# Altium PCB 数控_2.PcbDoc
Units mil, origin at the board's own origin, x right, y up, seen from the top; angles counter-clockwise.
Board outline 6000 x 4000 mil, 2 copper layers (Top Layer, Bottom Layer); 43 components, 59 nets, 178 pads, 0 vias.
Unrouted connection lines stored in the file: 3.
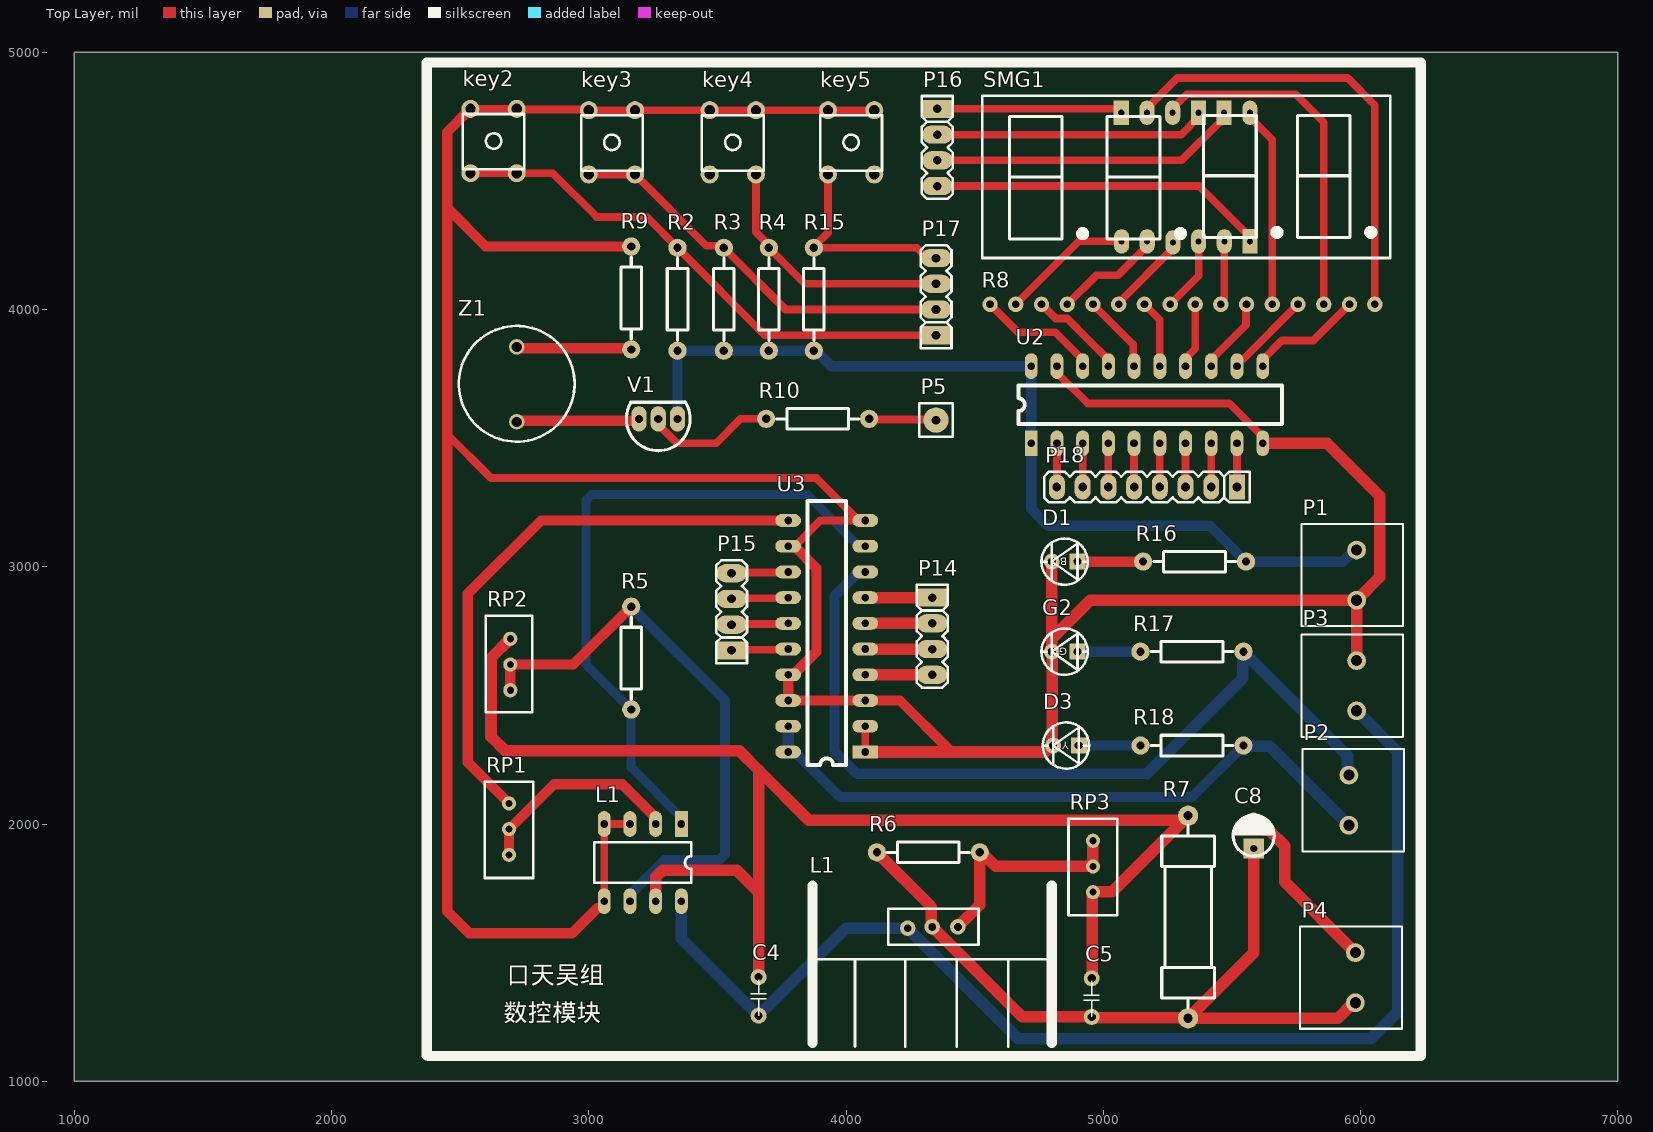
[diagram p0: Top Layer view]
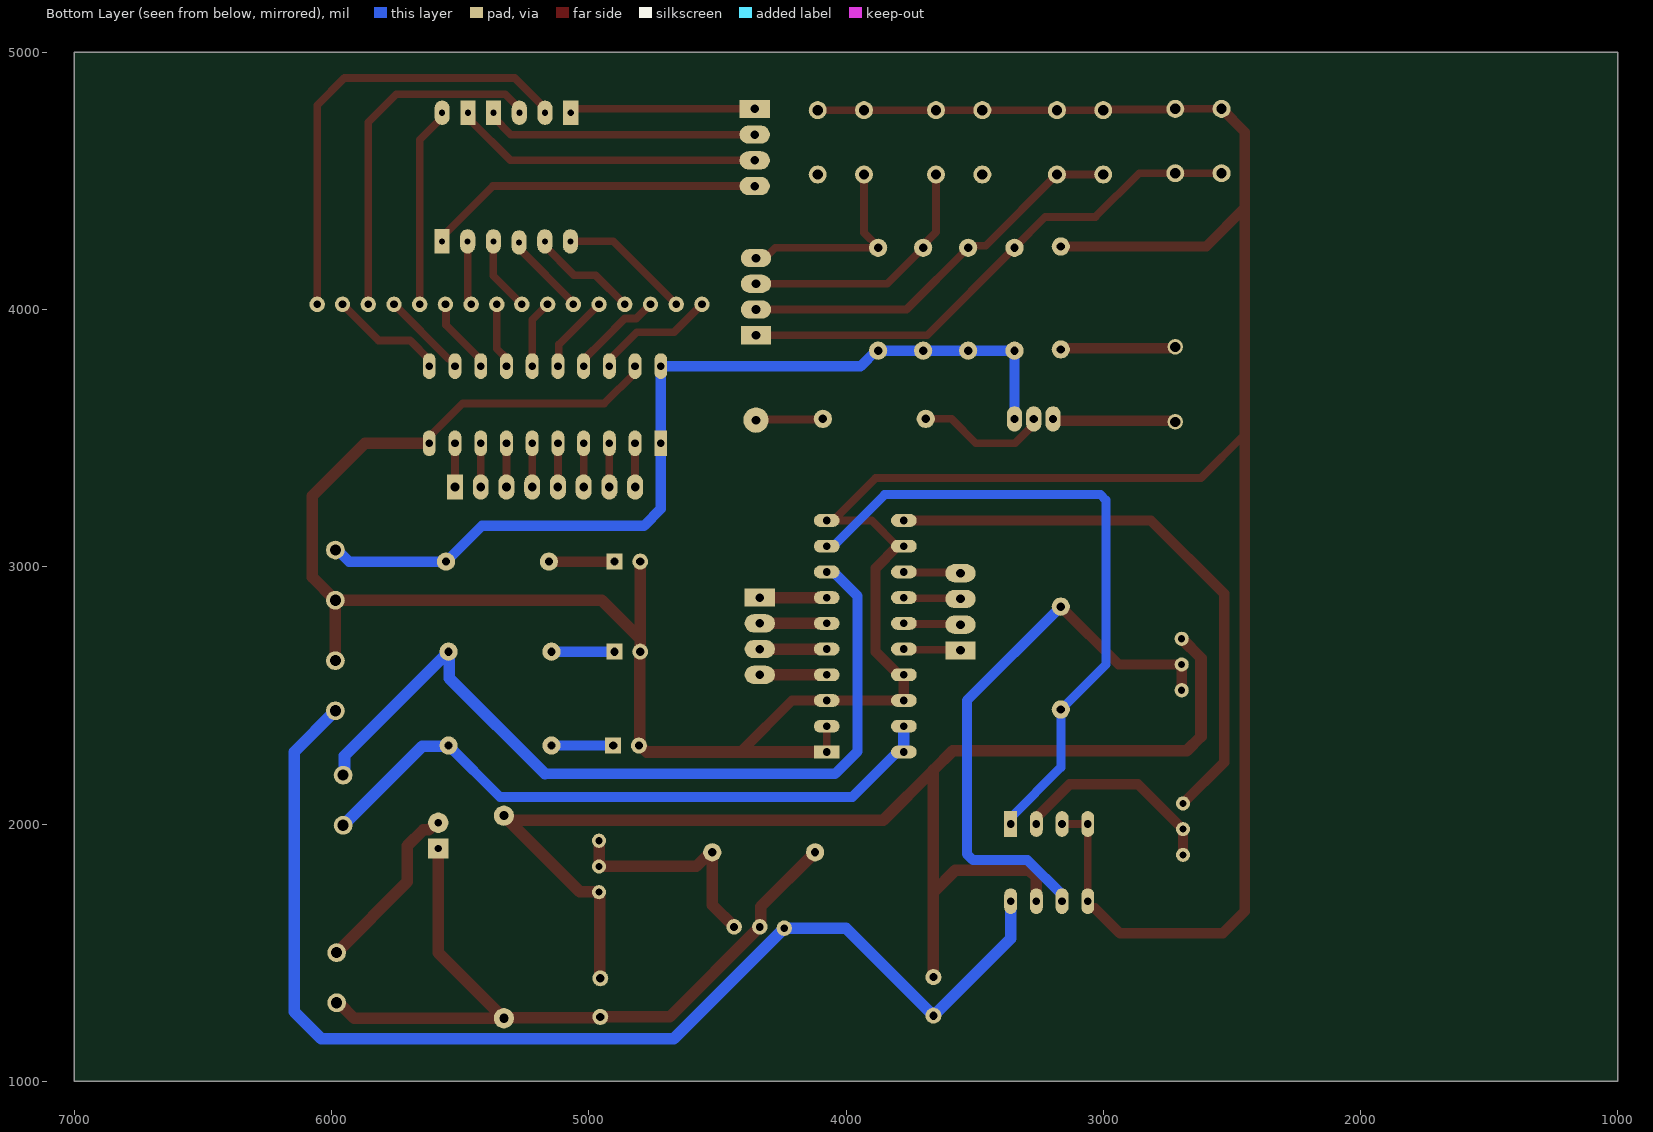
[diagram p1: Bottom Layer view, seen from below]
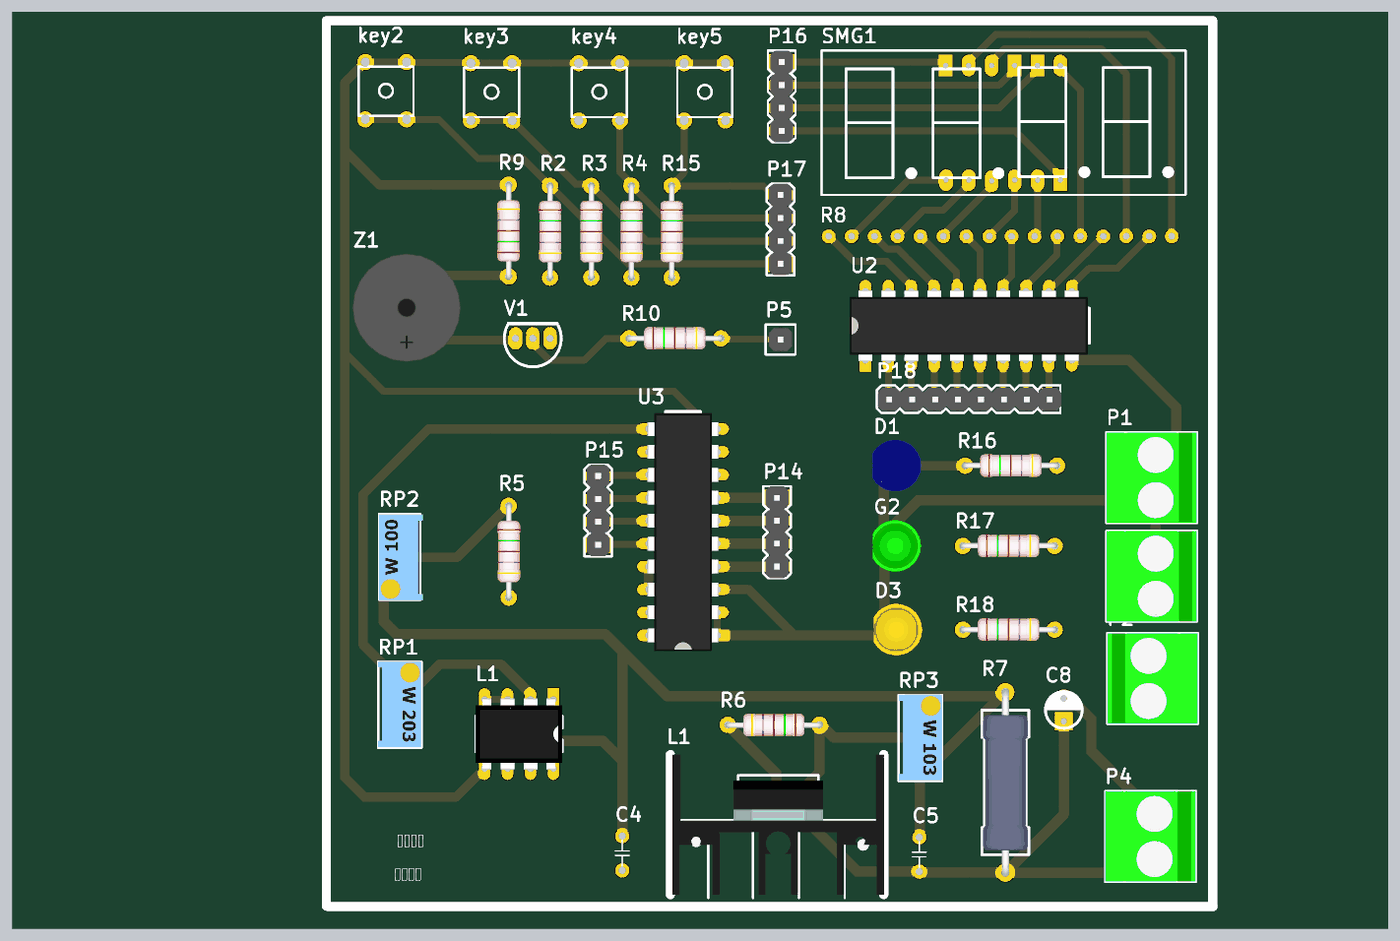
[diagram p2: 3D render of the assembled board from above, using the file's embedded part models]

## Layer stack, top to bottom
Top Solder: solder mask 0.4, Solder Resist, Dk 3.5
Top Layer: signal copper 1.4
Dielectric 1: dielectric 12.6, FR-4, Dk 4.8
Bottom Layer: signal copper 1.4
Bottom Solder: solder mask 0.4, Solder Resist, Dk 3.5

## Board outline
1000,1000 7000,1000 7000,5000 1000,5000

## Design rules (kind name [scope] priority, off if disabled: settings)
Clearance [All] p1: gap=10 ignorepadtopadclearanceinfootprint=FALSE except(0: Arc-Hole Track-Hole SMDPad-Hole THPad-Hole Via-Hole Fill-Hole Poly-Hole Region-Hole Text-Hole)
PolygonConnect [All] p1: connectstyle=Relief reliefconductorwidth=10 reliefentries=4 polygonreliefangle="90 Angle" airgapwidth=10
RoutingVias [All] p1: holewidth=28 width=50 viastyle="Through Hole" minholewidth=28 minwidth=50 maxholewidth=28 maxwidth=50
SolderMaskExpansion [All] p1: expansion=4 istentingtop=FALSE
Width [All] p1: maxlimit=50 minlimit=30 preferedwidth=40 minimp=50.000000 maximp=50.000000 favimp=50.000000
30 further rules are at their usual default settings.

## Components (designator, comment, footprint, x,y, rotation, side; value= is the part's Value field where it differs from the comment)
C4 "0.1μF" 电容_瓷片 3660,1330 r270 top
C5 "1μF" 电容_瓷片 4955,1325 r270 top
C8 "220uf" 电解电容_小 5590,1955 r90 top
D1 "LED_B" LED_B 4850,3020 r180 top
D3 "LED_Y" LED_Y 4855,2305 r180 top
G2 "LED_G" LED_G 4850,2670 r180 top
key2 "KEY_1" AN66 2630,4655 r0 top
key3 "KEY_1" AN66 3090,4650 r0 top
key4 "KEY_1" AN66 3560,4650 r0 top
key5 "KEY_1" AN66 4020,4650 r0 top
L1 "LM258" DIP8 3360,2000 r180 top
L1 "LM317_Adj" 7805散热器 4435,1600 r180 top
P1 "电源端子2P" "端子 - duplicate" 5985,2870 r180 top
P2 "电源端子2P" "端子 - duplicate" 5955,2190 r0 top
P3 "电源端子2P" "端子 - duplicate" 5985,2440 r180 top
P4 "电源端子2P" "端子 - duplicate" 5980,1305 r180 top
P5 "Header_1" Header_1 4350,3570 r0 top
P14 "Header_4" Header_4 4335,2730 r270 top
P15 "Header_4" Header_4 3555,2825 r90 top
P16 "Header_4" Header_4 4355,4630 r270 top
P17 "Header_4" Header_4 4350,4050 r90 top
P18 "Header_8" Header_8 5170,3310 r180 top
R2 "10k" 1/4WA1 3345,3840 r90 top value=10K
R3 "10k" 1/4WA1 3525,3840 r90 top value=10K
R4 "10k" 1/4WA1 3700,3840 r90 top value=10K
R5 "1k" 1/4WA1 3165,2445 r90 top value=10K
R6 "200" 1/4WA1 4120,1890 r0 top value=10K
R7 "10" AXIAL-20*5MM-W 5330,1638.7 r90 top value=10K
R8 "100" "RES_PACK - 2" 4560,4020 r0 top value=10K
R9 "100" 1/4WA1 3165,4245 r270 top value=10K
R10 "100" 1/4WA1 4090,3575 r180 top value=10K
R15 "10k" 1/4WA1 3875,3840 r90 top value=10K
R16 "150" 1/4WA1 5555,3020 r180 top value=10K
R17 "150" 1/4WA1 5545,2670 r180 top value=10K
R18 "500" 1/4WA1 5545,2305 r180 top value=10K
RP1 "20k" 3296-203 2690,2080 r270 top value=10K
RP2 "10k" 3296-100 2695,2520 r90 top value=10K
RP3 "500" 3296-103 4960,1935 r270 top value=10K
SMG1 "数码管" "4IN1B - 0.4英寸" 5525,4850 r0 top
U2 "74HC245" DIP20 4720,3480 r0 top
U3 "DAC0832" DIP20 4075,2280 r90 top
V1 "9012" 三极管PNP 3270,3575 r180 top
Z1 "BUZZER" BUZZER 2720,3563.66 r0 top

## Footprints (in the part's own frame and the unit in brackets; to place one, negate y for a bottom-side part, rotate by r counter-clockwise, add the part's x,y. Pads: shape width x height; smd on the part's side, far side on the other; paste and mask are expansions set on the pad)
1/4WA1 [mm]
  round 1.8 hole 0.813: 1(0,0) 2(10.16,0)
  silkscreen extent 1.02,-1.02 9.14,1.02, body extent -0.27,-1.28 10.49,1.24, height 2
"4IN1B - 0.4英寸" [mm]
  oval 1.5x2.4 hole 0.6: a(-9.017,-2.159) b(1.143,-2.159) c(-3.917,-14.859) d(-8.997,-14.859) dp(-6.457,-14.959) e(-11.517,-14.859) f(-6.477,-2.159) g(-1.377,-14.859)
  rect 1.5x2.4 hole 0.6: H1(-11.557,-2.159) H2(-3.937,-2.159) H3(-1.397,-2.159) H4(1.143,-14.859)
  silkscreen extent -25.3,-16.5 15,-0.5
3296-100 [mm]
  round 1.4 hole 0.7: 1(0,0) 2(5.08,0) 3(2.54,0)
  silkscreen extent -2.16,-2.16 7.37,2.41, body extent -2.22,-2.41 7.3,2.41, height 11.73
3296-103 [mm]
  round 1.4 hole 0.7: 1(0,0) 2(5.08,0) 3(2.54,0)
  silkscreen extent -2.16,-2.41 7.37,2.41, body extent -2.22,-2.41 7.3,2.41, height 11.73
3296-203 [mm]
  round 1.4 hole 0.7: 1(0,0) 2(5.08,0) 3(2.54,0)
  silkscreen extent -2.16,-2.39 7.37,2.41, body extent -2.22,-2.42 7.3,2.41, height 11.63
7805散热器 [mil]
  round 60 hole 30: 1(0,0) 2(100,0) 3(195,5)
  silkscreen extent -365,-160 565,465, body extent -366,-160 556,450, height 976
AN66 [mil]
  round 70 hole 40: 1(-90,125) 1(90,125) 2(-90,-125) 2(90,-125)
  silkscreen extent -120,-110 120,105
AXIAL-20*5MM-W [mm] "2W电阻"
  round 2 hole 0.9: 1(-10,0) 2(10,0)
  silkscreen extent -8.98,-2.6 9.07,2.6, body extent -10.43,-2.51 10.37,2.49, height 5.8
BUZZER [mil]
  round 60 hole 39: 1(0,0) 2(0,291.34)
  silkscreen extent -225,-77 225,373, body extent -236,-91 236,381, height 299
DIP8 [mil]
  rect 50x100 hole 30: 1(0,0)
  oval 50x100 hole 30: 2(100,0) 3(200,0) 4(300,0) 5(300,300) 6(200,300) 7(100,300) 8(0,300)
  silkscreen extent -39,71 339,229, body extent -39,-5 339,305, height 173
DIP20 [mil]
  rect 50x100 hole 30: 1(0,0)
  oval 50x100 hole 30: 2(100,0) 3(200,0) 4(300,0) 5(400,0) 6(500,0) 7(600,0) 8(700,0) 9(800,0) 10(900,0) 11(900,300) 12(800,300) 13(700,300) 14(600,300) 15(500,300) 16(400,300) 17(300,300) 18(200,300) 19(100,300) 20(0,300)
  silkscreen extent -50,75 975,225, body extent -70,-5 970,305, height 169
Header_1 [mm] "插针"
  round 2.5 hole 0.85: 1(0,0)
  silkscreen extent -1.65,-1.65 1.65,1.65, body extent -1.27,-1.27 1.27,1.27, height 8.54
Header_4 [mm] "插针"
  rect 1.8x3 hole 0.85: 1(-3.81,0)
  oval 1.8x3 hole 0.85: 2(-1.27,0) 3(1.27,0) 4(3.81,0)
  silkscreen extent -5.08,-1.52 5.08,1.52, body extent -5.08,-1.27 5.08,1.27, height 8.54
Header_8 [mm] "插针"
  rect 1.575x2.5 hole 0.85: 1(-8.89,0)
  oval 1.575x2.5 hole 0.85: 2(-6.35,0) 3(-3.81,0) 4(-1.27,0) 5(1.27,0) 6(3.81,0) 7(6.35,0) 8(8.89,0)
  silkscreen extent -10.16,-1.52 10.16,1.52, body extent -10.26,-1.24 10.06,1.3, height 8.54
LED_B [mil] "蓝色发光二极管"
  rect 62x62 hole 32: 1(-50,0)
  round 62 hole 32: 2(50,0)
  silkscreen extent -90,-90 90,90, body extent -112,-112 98,112, height 339
LED_G [mil] "绿色发光二极管"
  rect 62x62 hole 32: 1(-50,0)
  round 62 hole 32: 2(50,0)
  silkscreen extent -90,-90 90,90, body extent -112,-112 98,112, height 339
LED_Y [mil] "黄色发光二极管"
  rect 62x62 hole 32: 1(-50,0)
  round 62 hole 32: 2(50,0)
  silkscreen extent -90,-90 90,90, body extent -112,-112 98,112, height 339
"RES_PACK - 2" [mil]
  round 60 hole 30: 1(0,0) 2(100,0) 3(200,0) 4(300,0) 5(400,0) 6(500,0) 7(600,0) 8(700,0) 9(797.24,0) 10(897.24,0) 11(997.24,0) 12(1097.24,0) 13(1197.24,0) 14(1297.24,0) 15(1397.24,0) 16(1495.67,0)
  body extent -42,-26 1540,25, height 10
三极管PNP [mm] "三极管PNP"
  oval 1.5x2.5 hole 0.8: B(0,0) C(1.905,0) E(-1.905,0)
  silkscreen extent -3.15,-1.7 3.15,3.15
电容_瓷片 [mil] "电容"
  round 62 hole 32: 1(-75,0) 2(75,0)
  silkscreen extent -65,-30 75,30
电解电容_小 [mm] "电解电容"
  rect 2x2 hole 0.7: 1(-1.27,0.127)
  round 2 hole 0.7: 2(1.27,0.127)
  silkscreen extent -2.03,-1.91 2.03,2.16
"端子 - duplicate" [mm] "2"
  round 1.85 hole 1.1: 1(0,0) 2(0,-4.953)
  silkscreen extent -4.6,-7.54 5.46,2.57, body extent -4.56,-7.49 5.44,2.51, height 14.45

## Part data
C4 C5: library part 电容_瓷片, "瓷片电容"
C8: library part 电解电容_小, "电解电容"
D1 D3 G2: "发光二极管"
L1: library part LM317, "可调直流稳压芯片"
P1 P2 P3 P4: "电源端子", =电源端子2P
P5 P14 P15 P16 P17 P18: "插针"
  P5: Comm=插针1
  P14 P15 P16 P17: Comm=插针4
  P18: Comm=插针8
R2 R3 R4 R5 R6 R9 R10 R15 R16 R17 R18: library part Res_3, "1/4W电阻器", Package Description=AXIAL0.3-AXIA1.0, Package Reference=AXIAL, Component Link1Description=元件数据连接1，一般是生产厂商的元件描述连接。, Component Link 1URL=元件厂商的网站连接1，通常是主页地址，如http://www.st.com/, Component Link 2URL=元件厂商的网站连接2，通常是元件数据说明文件地址，如http://www.fairchildsemi.com/ds/2N%2F2N3904.pdf, ComponentLink2  Description=元件数据连接2，一般是生产厂商的元件数据库连接。, Created=制造厂商, Datasheet Version=Apr-2016, Kind=General, Latest Revision Date=13-Apr-2016, Latest Revision Note=最近的应用笔记修订本, LatestRevisionDate=13-Apr-2016, Object=Resistor, PackageVersion=Apr-2016, Published=13-Apr-2016, Publisher="Altium Limited", Spice Prefix=R, SubKind=Resistor, Type=Resistor
R7: library part Res_7, "5W电阻器", Package Description=AXIAL0.3-AXIA1.0, Package Reference=AXIAL, Component Link1Description=元件数据连接1，一般是生产厂商的元件描述连接。, Component Link 1URL=元件厂商的网站连接1，通常是主页地址，如http://www.st.com/, Component Link 2URL=元件厂商的网站连接2，通常是元件数据说明文件地址，如http://www.fairchildsemi.com/ds/2N%2F2N3904.pdf, ComponentLink2  Description=元件数据连接2，一般是生产厂商的元件数据库连接。, Created=制造厂商, Datasheet Version=Apr-2016, Kind=General, Latest Revision Date=13-Apr-2016, Latest Revision Note=最近的应用笔记修订本, LatestRevisionDate=13-Apr-2016, Object=Resistor, PackageVersion=Apr-2016, Published=13-Apr-2016, Publisher="Altium Limited", Spice Prefix=R, SubKind=Resistor, Type=Resistor
R8: library part Res_Pack8, "排阻", Package Description=AXIAL0.3-AXIA1.0, Package Reference=AXIAL, Component Link1Description=元件数据连接1，一般是生产厂商的元件描述连接。, Component Link 1URL=元件厂商的网站连接1，通常是主页地址，如http://www.st.com/, Component Link 2URL=元件厂商的网站连接2，通常是元件数据说明文件地址，如http://www.fairchildsemi.com/ds/2N%2F2N3904.pdf, ComponentLink2  Description=元件数据连接2，一般是生产厂商的元件数据库连接。, Created=制造厂商, Datasheet Version=Apr-2016, Kind=General, Latest Revision Date=13-Apr-2016, Latest Revision Note=最近的应用笔记修订本, LatestRevisionDate=13-Apr-2016, Object=Resistor, PackageVersion=Apr-2016, Published=13-Apr-2016, Publisher="Altium Limited", Spice Prefix=R, SubKind=Resistor, Type=Resistor
RP1 RP2 RP3: library part RESVR, "滑动触点电位器", Package Description=AXIAL0.3-AXIA1.0, Package Reference=AXIAL, Component Link1Description=元件数据连接1，一般是生产厂商的元件描述连接。, Component Link 1URL=元件厂商的网站连接1，通常是主页地址，如http://www.st.com/, Component Link 2URL=元件厂商的网站连接2，通常是元件数据说明文件地址，如http://www.fairchildsemi.com/ds/2N%2F2N3904.pdf, ComponentLink2  Description=元件数据连接2，一般是生产厂商的元件数据库连接。, Created=制造厂商, Datasheet Version=Apr-2016, Kind=General, Latest Revision Date=13-Apr-2016, Latest Revision Note=最近的应用笔记修订本, LatestRevisionDate=13-Apr-2016, Object=Resistor, PackageVersion=Apr-2016, Published=13-Apr-2016, Publisher="Altium Limited", Spice Prefix=R, SubKind=Resistor, Type=Resistor
SMG1: library part 4位数码管
U2: "总线驱动器"
U3: "数模转换器件", Package Description=封装描述, Component Link1Description=元件数据连接1，一般是生产厂商的元件描述连接。, Component Link 1URL=元件厂商的网站连接1，通常是主页地址，如http://www.st.com/, Component Link 2URL=元件厂商的网站连接2，通常是元件数据说明文件地址，如http://www.fairchildsemi.com/ds/2N%2F2N3904.pdf, ComponentLink2  Description=元件数据连接2，一般是生产厂商的元件数据库连接。, Created=制造厂商, Datasheet Version=Apr-2016, Kind=General, Latest Revision Date=14-Apr-2016, Latest Revision Note=最近的应用笔记修订本, LatestRevisionDate=5-Sep-2016, Published=14-Apr-2016, Publisher="Altium Limited", Spice Prefix=U, SubKind=Chip, 价格=0.0
V1: library part 9012三极管, "PNP三极管"
Z1: "蜂鸣器"

## Nets (pads, with @x,y where several pads share a name; then routed paths per layer and width w, separated by ;. In a path a pad name is that pad's centre, name@x,y a point inside that pad or via, vN(x,y) a via of type N, cw(c..) or ccw(c..) an arc to the next point about the centre after c; other vN are vias at no path point)
5.12v: P2.1 R17.1 U3.8 | length 3325.2
  Top Layer w45: U3.8@4050,2980 U3.8 ; R17.1 R17.1@5549.95,2665.05
  Bottom Layer w40: U3.8 4050,2980 3955,2885 3955,2282.57 4042.57,2195 5170,2195
  Bottom Layer w45: 5170,2195 5542.07,2567.07 5542.07,2667.07 R17.1 5949.67,2265.33 5949.67,2195.33 P2.1
5v: P1.2 R2.1 R3.1 R4.1 R15.1 R16.1 U2.1 U2.20 V1.E | length 3596.8
  Top Layer w40: R16.1 R16.1@5563.35,3020
  Bottom Layer w40: V1.E R2.1 R3.1 R4.1 R15.1 3883.35,3840 3943.35,3780 U2.20 U2.1 4720,3225 4785,3160 5415,3160 R16.1 5931.11,3020 5976.11,3065 P1.2
12v: P2.2 R18.1 U3.19 U3.20 | length 2592.9
  Top Layer w45: U3.20 U3.20@3800,2280 ; R18.1 R18.1@5547.93,2302.07
  Bottom Layer w40: U3.20 3800,2280 3975,2105 5345,2105 R18.1
  Bottom Layer w45: U3.20 U3.19 ; R18.1 5547.93,2302.07 5647.93,2302.07 P2.2
24v: C4.2 L1.3@4240,1595 L1.8 P3.1 | length 4653
  Bottom Layer w45: L1.8 3360,1555 C4.2 4000,1595 4240,1595 4670,1165 6040,1165 6145,1270 6145,2280 P3.1
a: R8.16 SMG1.a | length 1770.1
  Top Layer w30: SMG1.a@5170,4782.72 5287.28,4900 5950,4900 6055.67,4794.33 R8.16
  Top Layer w40: SMG1.a SMG1.a@5170,4782.72
b: R8.12 SMG1.b | length 781.1
  Top Layer w30: SMG1.b 5570,4747.28 5657.24,4660.04 R8.12
c: R8.8 SMG1.c | length 290.9
  Top Layer w30: R8.8 5370.79,4130.79 SMG1.c
d: R8.4 SMG1.d | length 422.6
  Top Layer w30: R8.4 4973.73,4133.73 5057.24,4133.73 5170.79,4247.28 SMG1.d
dp: R8.6 SMG1.dp | length 328.4
  Top Layer w30: R8.6 5060,4026.28 5270.79,4237.07 SMG1.dp
e: R8.2 SMG1.e | length 513.1
  Top Layer w30: R8.2 4905,4265 SMG1.e
f: R8.14 SMG1.f | length 1380.7
  Top Layer w30: SMG1.f 5270,4782.72 5324.53,4837.24 5747.76,4837.24 5857.24,4727.76 R8.14
g: R8.10 SMG1.g | length 250.6
  Top Layer w30: R8.10 5457.24,4028.12 5470.79,4041.66 SMG1.g
GND: D1.2 D3.2 G2.2 key2.1 key3.1 key4.1 key5.1 L1.3@3160,2000 L1.4 L1.5 P1.1 P3.2 R9.1 U2.10 U2.19 U3.1 U3.2 U3.3 U3.10 U3.12 U3.17 U3.18 | length 15105.3
  Top Layer w30: 2450,3515 2620,3345 3885,3345 U3.10@4050,3180 ; key2.1@2540,4780 2720,4780 2722.5,4777.5 2997.5,4777.5 3000,4775 3180,4775 3470,4775 3650,4775 3930,4775 key5.1@4110,4775 ; L1.5 L1.4 L1.3@3160,2000 ; U3.17 U3.17@3795,2580 ; U3.12 3800,3080 3900,3180 U3.10@4050,3180 ; U3.1 U3.2 ; U3.10 U3.10@4050,3180 ; U2.19 4820,3755 4940,3635 5490,3635 5620,3505 U2.10
  Top Layer w40: key2.1@2540,4780 2450,4690 2450,4395 ; L1.5 3060,1677.71 3055.38,1673.09 3033.09,1673.09 2935,1575 2535,1575 2450,1660 2450,3515 2450,4395 ; R9.1 2600,4245 2450,4395 ; U3.17 U3.18 U3.3 4210,2480 4405,2285 4405,2280 ; U3.17@3795,2580 3885,2670 3885,2995 U3.12@3800,3080
  Top Layer w45: U3.1 4405,2280 4775.4,2280 4800.4,2305 D3.2 4802.5,2307.5 4802.5,2667.5 G2.2 4800,2720 ; D1.2 4800,2720 ; U2.10 5870,3480 6075,3275 6075,2960 P1.1 ; P3.2 P1.1 ; 4800,2720 4950,2870 P1.1
  Bottom Layer w40: L1.3@3160,1975 L1.3@3160,2000
H1: P16.1 SMG1.H1 | length 724.4
  Top Layer w30: P16.1 SMG1.H1@5060.47,4780
  Top Layer w40: SMG1.H1@5060.47,4780 5070,4770.47 SMG1.H1
H2: P16.2 SMG1.H2 | length 1060.6
  Top Layer w30: P16.2 5302.72,4680 SMG1.H2@5370,4747.28
  Top Layer w40: SMG1.H2@5370,4747.28 SMG1.H2
H3: P16.3 SMG1.H3 | length 1202.9
  Top Layer w30: P16.3 5304.2,4580 SMG1.H3@5460.47,4736.27
  Top Layer w40: SMG1.H3@5460.47,4736.27 5460.47,4755.47 SMG1.H3
H4: P16.4 SMG1.H4 | length 1314.4
  Top Layer w30: P16.4 5372.72,4480 SMG1.H4@5570,4282.72
  Top Layer w40: SMG1.H4 SMG1.H4@5570,4282.72
K1: key2.2 P17.1 R2.2 | length 2071
  Top Layer w30: key2.2@2540,4530 2720,4530 2860.41,4530 3030.41,4360 3225,4360 R2.2 3684.57,3900.43 4000.57,3900.43 4001,3900 P17.1
K2: key3.2 P17.2 R3.2 | length 1567.5
  Top Layer w30: key3.2@3000,4525 3180,4525 3457.18,4247.82 3517.18,4247.82 R3.2 3765,4000 P17.2
K3: key4.2 P17.3 R4.2 | length 1013.7
  Top Layer w30: key4.2@3650,4525 3650,4301.06 3700,4251.06 R4.2 3840,4100 P17.3
K4: key5.2 P17.4 R15.2 | length 799.4
  Top Layer w30: key5.2@3930,4525 3930,4298.75 3875,4243.75 R15.2 4275.32,4240 4315.32,4200 P17.4
NetC5_2: C5.2 C8.1 L1.2@4335,1600 P4.1 R6.1 R7.1 | length 2961.6
  Top Layer w45: R6.1 4332.13,1677.87 4332.13,1602.87 4335,1600 4685,1250 C5.2 4957.5,1247.5 5327.5,1247.5 R7.1 ; C8.1 5585,1500 R7.1 ; P4.1 5972.47,1305 5912.47,1245 R7.1
NetD1_1: D1.1 R16.2 | length 255
  Top Layer w40: D1.1 R16.2
NetD3_1: D3.1 R18.2 | length 240
  Bottom Layer w40: D3.1 R18.2
NetG2_1: G2.1 R17.2 | length 245
  Bottom Layer w40: G2.1 R17.2
NetL1_1: L1.1@4435,1600 R6.2 RP3.1 RP3.3 | length 890.7
  Top Layer w45: L1.1@4435,1600 4520,1685 R6.2 4527,1890 4582,1835 RP3.3 RP3.1 RP3.1@4958.06,1933.06
NetL1_2: L1.2@3260,2000 RP1.2 RP1.3 | length 821.3
  Top Layer w40: RP1.2 RP1.3 2865,2155 3130,2155 3260,2025 L1.2@3260,2000
NetL1_6: L1.6 R5.2 RP2.1 RP2.3 | length 2240.1
  Top Layer w40: RP2.1 RP2.3 2940,2620 R5.2 R5.2@3167.5,2847.5
  Bottom Layer w40: L1.6 3160,1725 3295,1860 3506.57,1860 3530,1883.43 3530,2480 R5.2
NetP5_1: P5.1 R10.1 | length 262.1
  Top Layer w30: R10.1 4092.5,3572.5 4347.5,3572.5 P5.1
NetP14_1: P14.1 U3.7 | length 267.1
  Top Layer w45: U3.7@4075.96,2879.04 U3.7 P14.1 P14.1@4330.96,2884.04
NetP14_2: P14.2 U3.6 | length 267.1
  Top Layer w45: U3.6@4075.96,2779.04 U3.6 P14.2 P14.2@4330.96,2784.04
NetP14_3: P14.3 U3.5 | length 267.1
  Top Layer w45: U3.5@4075.96,2679.04 U3.5 P14.3 P14.3@4330.96,2684.04
NetP14_4: P14.4 U3.4 | length 260
  Top Layer w45: U3.4 P14.4
NetP15_1: P15.1 U3.16 | length 222.1
  Top Layer w30: P15.1 3557.5,2677.5 3772.5,2677.5 U3.16
NetP15_2: P15.2 U3.15 | length 222.1
  Top Layer w30: P15.2 3557.5,2777.5 3772.5,2777.5 U3.15
NetP15_3: P15.3 U3.14 | length 222.1
  Top Layer w30: P15.3 3557.5,2877.5 3772.5,2877.5 U3.14
NetP15_4: P15.4 U3.13 | length 222.1
  Top Layer w30: P15.4 3557.5,2977.5 3772.5,2977.5 U3.13
NetP18_1: P18.1 U2.9 | length 170
  Top Layer w30: P18.1 U2.9
NetP18_2: P18.2 U2.8 | length 170
  Top Layer w30: P18.2 U2.8
NetP18_3: P18.3 U2.7 | length 170
  Top Layer w30: P18.3 U2.7
NetP18_4: P18.4 U2.6 | length 170
  Top Layer w30: P18.4 U2.6
NetP18_5: P18.5 U2.5 | length 170
  Top Layer w30: P18.5 U2.5
NetP18_6: P18.6 U2.4 | length 170
  Top Layer w30: P18.6 U2.4
NetP18_7: P18.7 U2.3 | length 170
  Top Layer w30: P18.7 U2.3
NetP18_8: P18.8 U2.2 | length 170
  Top Layer w30: P18.8 U2.2
NetR8_1: R8.1 U2.18 | length 474.1
  Top Layer w30: R8.1 4668.46,3911.54 4813.46,3911.54 4920,3805 U2.18
NetR8_3: R8.3 U2.17 | length 374.1
  Top Layer w30: R8.3 4815,3965 4860,3965 4945.95,3879.05 5013.47,3811.53 5013.47,3786.53 U2.17
NetR8_5: R8.5 U2.16 | length 306.3
  Top Layer w30: R8.5 5116.17,3863.83 5116.17,3783.83 U2.16
NetR8_7: R8.7 U2.15 | length 264.9
  Top Layer w30: R8.7 5220,3960 U2.15
NetR8_9: R8.9 U2.14 | length 255.4
  Top Layer w30: U2.14 5320,3810.41 5357.24,3847.66 R8.9
NetR8_11: R8.11 U2.13 | length 296.8
  Top Layer w30: U2.13 5420,3805 5554.59,3939.59 5554.59,4017.34 R8.11
NetR8_13: R8.13 U2.12 | length 348.1
  Top Layer w30: U2.12 5520,3799.59 5529.24,3808.83 5546.07,3808.83 R8.13
NetR8_15: R8.15 U2.11 | length 451.3
  Top Layer w30: U2.11 5620,3805 5695,3880 5817.24,3880 R8.15
NetR9_2: R9.2 Z1.2 | length 449.1
  Top Layer w30: Z1.2 Z1.2@2725,3850 ; R9.2@3160,3850 R9.2
  Top Layer w40: Z1.2@2725,3850 R9.2@3160,3850
NetR10_2: R10.2 V1.B | length 511.5
  Top Layer w30: V1.B 3270,3553.2 3343.2,3480 3495,3480 3590,3575 R10.2
NetRP1_1: RP1.1 U3.11 | length 2244.3
  Top Layer w40: RP1.1 2530,2240 2530,2895 2815,3180 U3.11
NetV1_C: V1.C Z1.1 | length 485.1
  Top Layer w40: Z1.1@2725.41,3563.66 Z1.1 2723.83,3567.49 3187.49,3567.49 V1.C
O1: C4.1 C5.1 C8.2 L1.7 P4.2 R7.2 RP2.2 RP3.2 | length 6099.9
  Top Layer w45: RP2.2 2620,2645 2620,2340 2675,2285 3585,2285 3660,2210 ; L1.7 3260.96,1700.96 3260.96,1793.64 3287.32,1820 3575,1820 3660,1735 ; C4.1 3660,1735 ; C5.1 4958.06,1403.06 4958.06,1733.06 RP3.2 4961.94,1736.94 5034.53,1736.94 R7.2@5312.6,2015 ; R7.2 R7.2@5312.6,2015 ; C8.2@5584.35,2004.35 C8.2 5594.13,2005 5622.26,1976.87 5643.13,1976.87 5705,1915 5705,1775 P4.2 ; 3660,1735 3660,2210 ; 3660,2210 3855,2015 R7.2@5312.6,2015
RFB: L1.1@3360,2000 R5.1 U3.9 | length 2648.6
  Top Layer w35: R5.1 R5.1@3174.5,2445 ; L1.1@3360,2000 L1.1@3360,2025 ; U3.9 U3.9@4100,3080
  Bottom Layer w35: L1.1@3360,2000 3360,2025 3165,2220 R5.1 2990,2620 2990,3259.5 3010.5,3280 3850,3280 4050,3080 U3.9

## Silkscreen, mask and mechanical layers (free items; w line width, h text height)
Top Overlay:
  lines w40: 2370,1100 2370,4960 6234.1,4960 6234.1,1099.63 ; 2377.09,1097.9 6235.36,1097.9
  text "口天吴组" at 2678.25,1356.45 h118.11
  text "数控模块" at 2667.16,1210.46 h118.11

## Text inside footprints (layer, text, board x,y; h text height)
D1: Top Overlay "B" at 4860,3035 h30 r180
D3: Top Overlay "Y" at 4865,2320 h30 r180
G2: Top Overlay "G" at 4860,2685 h30 r180